# KiCad board main-board.kicad_pcb (continued)
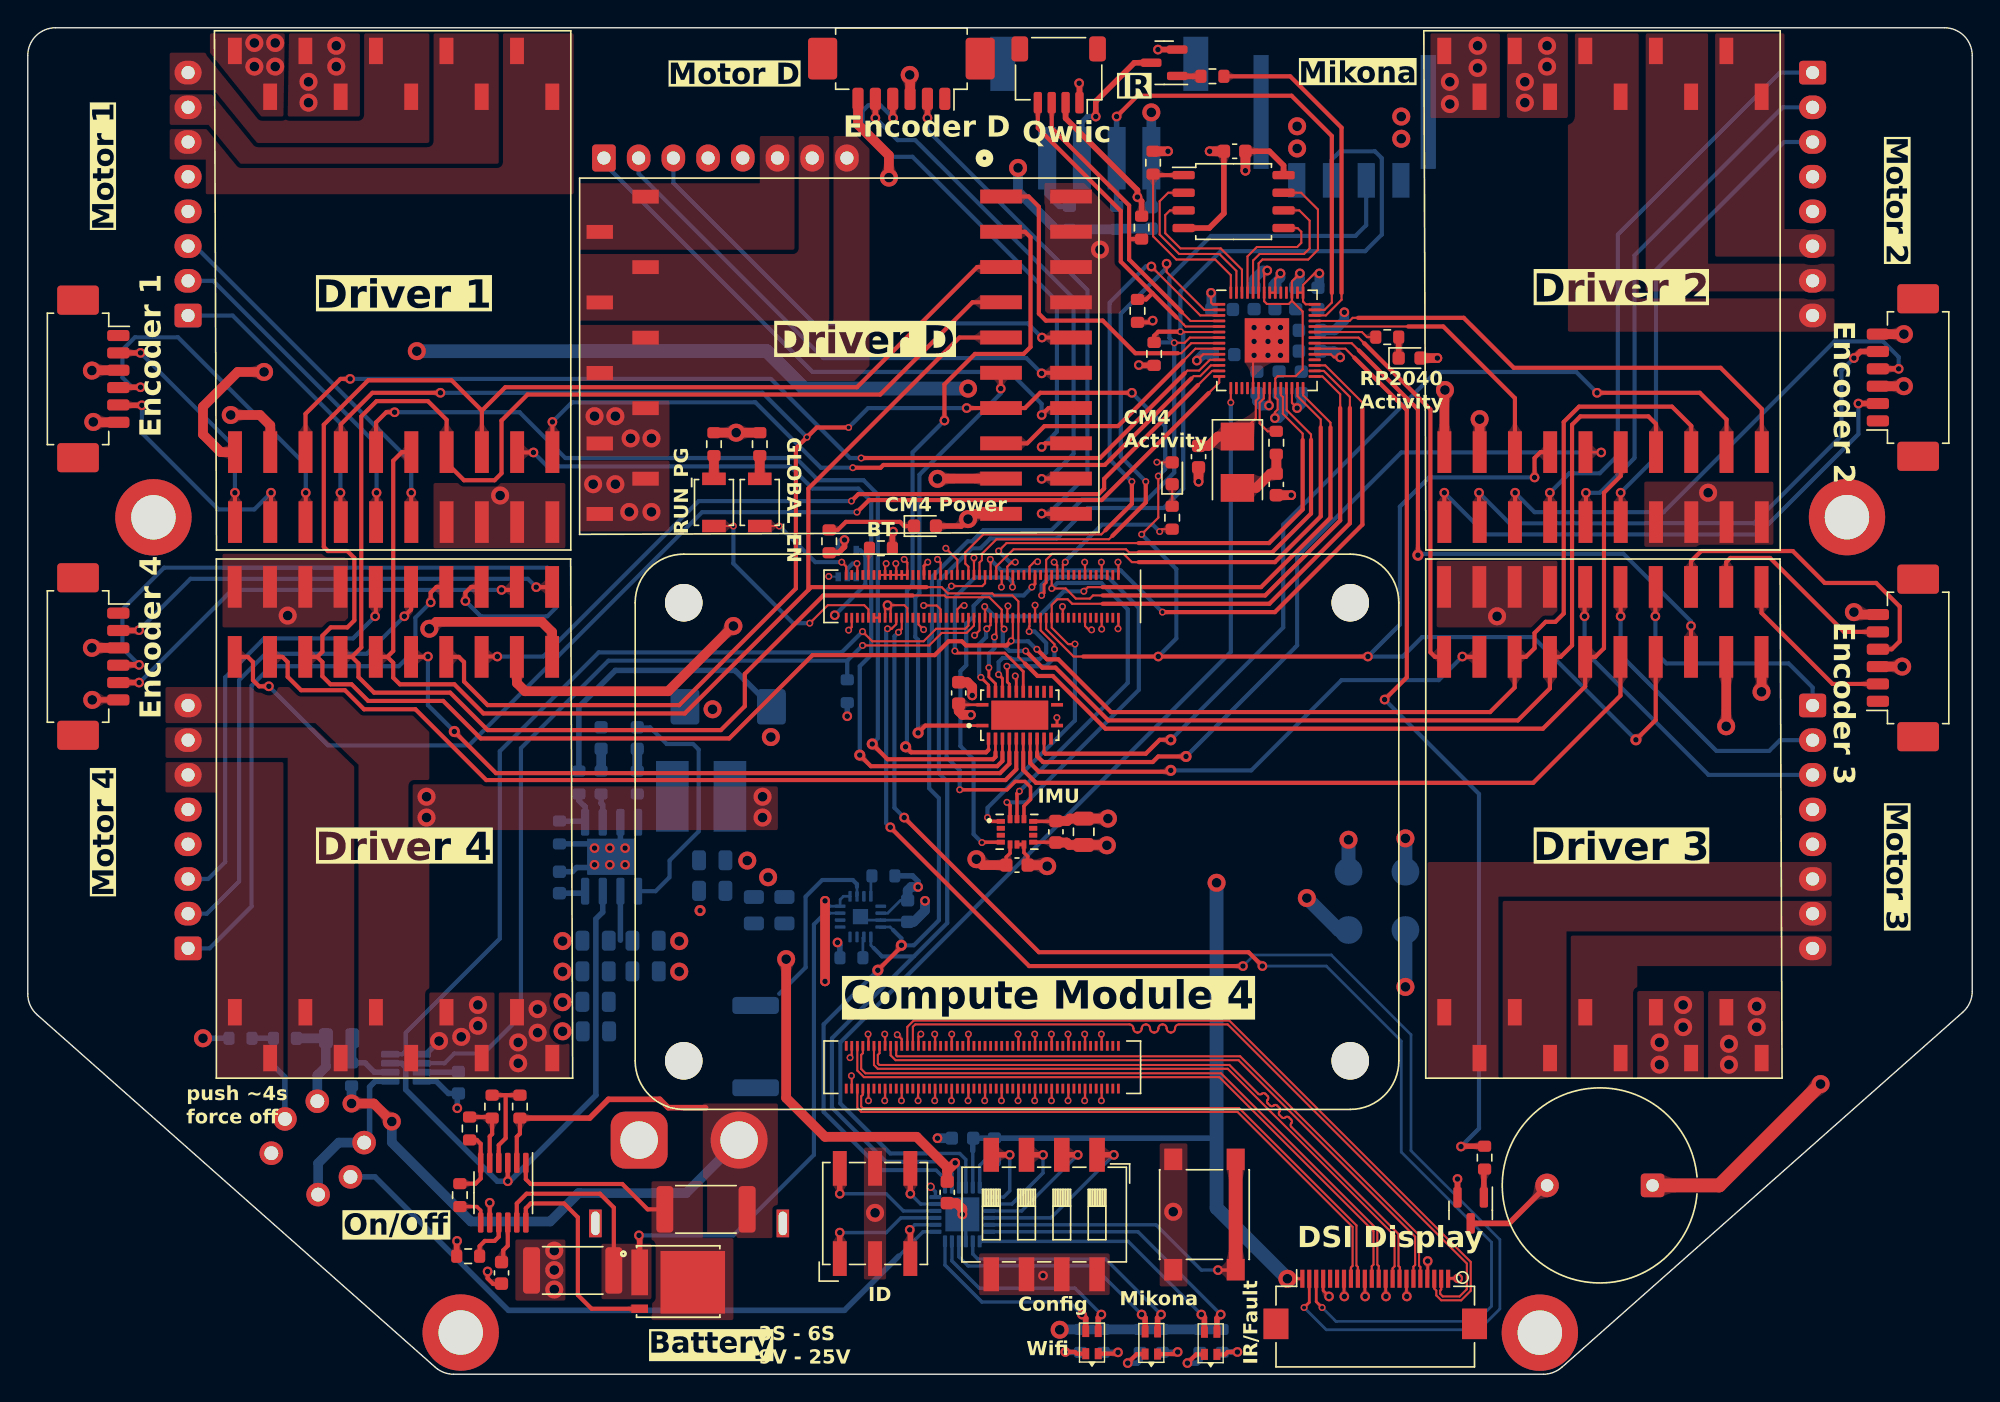
[diagram p0: board, top side]
## Footprints (pads in the part's own frame, mm; a bottom-side part is the same pattern mirrored in y, then rotated) (continued)
SOIC-8-1EP_3.9x4.9mm_P1.27mm_EP2.62x3.51mm
  rrect 1.06x1.41 smd: (-0.655,-0.875) (-0.655,0.875) (0.655,-0.875) (0.655,0.875)
  rrect 1.94x0.6 smd: 1(-2.48,1.905) 2(-2.48,0.635) 3(-2.48,-0.635) 4(-2.48,-1.905) 5(2.48,-1.905) 6(2.48,-0.635) 7(2.48,0.635) 8(2.48,1.905)
  rect 2.62x3.51 smd: 9(0,0)
SOIC-8_5.23x5.23mm_P1.27mm
  rrect 1.6x0.6 smd: 1(-3.6,1.905) 2(-3.6,0.635) 3(-3.6,-0.635) 4(-3.6,-1.905) 5(3.6,-1.905) 6(3.6,-0.635) 7(3.6,0.635) 8(3.6,1.905)
SOT-23
  rrect 1.475x0.6 smd: 1(-0.938,0.95) 2(-0.938,-0.95) 3(0.938,0)
SOT-353_SC-70-5
  rect 0.65x0.4 smd: 1(-0.95,0.65) 2(-0.95,0) 3(-0.95,-0.65) 4(0.95,-0.65) 5(0.95,0.65)
SW_DIP_SPSTx04_Slide_6.7x11.72mm_W8.61mm_P2.54mm_LowProfile
  rect 2.44x1.12 smd: 1(-4.305,3.81) 2(-4.305,1.27) 3(-4.305,-1.27) 4(-4.305,-3.81) 5(4.305,-3.81) 6(4.305,-1.27) 7(4.305,1.27) 8(4.305,3.81)
SW_Push_1P1T_NO_6x6mm_H9.5mm
  rect 1.55x1.3 smd: 1(-3.975,2.25) 1(3.975,2.25) 2(-3.975,-2.25) 2(3.975,-2.25)
SW_SPST_B3U-1000P
  rect 0.9x1.7 smd: 1(-1.7,0) 2(1.7,0)
TestPoint_Pad_D2.0mm
  round 2 smd: 1(0,0)
TRANS_BSC014N04LSIATMA1
  rect 1.2x3.3 smd: 1(-2.775,0.66)
  rect 1.2x0.6 smd: 4(-2.775,-1.96)
  rect 4.65x4.51 smd: 8(1.05,-0.055)
TSOT-23-8
  rrect 1.325x0.5 smd: 1(-1.137,0.975) 2(-1.137,0.325) 3(-1.137,-0.325) 4(-1.137,-0.975) 5(1.137,-0.975) 6(1.137,-0.325) 7(1.137,0.325) 8(1.137,0.975)
VQFN-16-1EP_3x3mm_P0.5mm_EP1.1x1.1mm
  rrect 0.89x0.89 smd: (0,0)
  rrect 0.775x0.25 smd: 1(-1.462,0.75) 2(-1.462,0.25) 3(-1.462,-0.25) 4(-1.462,-0.75) 9(1.462,-0.75) 10(1.462,-0.25) 11(1.462,0.25) 12(1.462,0.75)
  rrect 0.25x0.775 smd: 5(-0.75,-1.462) 6(-0.25,-1.462) 7(0.25,-1.462) 8(0.75,-1.462) 13(0.75,1.462) 14(0.25,1.462) 15(-0.25,1.462) 16(-0.75,1.462)
  rect 1.1x1.1 smd: 17(0,0)
WQFN-24-1EP_4x4mm_P0.5mm_EP2.45x2.45mm
  rrect 0.99x0.99 smd: (-0.61,-0.61) (-0.61,0.61) (0.61,-0.61) (0.61,0.61)
  rrect 0.875x0.3 smd: 1(-1.938,1.25) 2(-1.938,0.75) 3(-1.938,0.25) 4(-1.938,-0.25) 5(-1.938,-0.75) 6(-1.938,-1.25) 13(1.938,-1.25) 14(1.938,-0.75) 15(1.938,-0.25) 16(1.938,0.25) 17(1.938,0.75) 18(1.938,1.25)
  rrect 0.3x0.875 smd: 7(-1.25,-1.938) 8(-0.75,-1.938) 9(-0.25,-1.938) 10(0.25,-1.938) 11(0.75,-1.938) 12(1.25,-1.938) 19(1.25,1.938) 20(0.75,1.938) 21(0.25,1.938) 22(-0.25,1.938) 23(-0.75,1.938) 24(-1.25,1.938)
  rect 2.45x2.45 smd: 25(0,0)

## Nets
+1V1: C501.1 C502.1 C510.1 U501.23 U501.45 U501.50
+1V8: Module201.88 Module201.90
+3.3V: C201.1 C303.1 C503.1 C504.1 C505.1 C506.1 C507.1 C508.1 C509.1 C511.1 C514.1 C515.1 C602.1 C603.1 C604.1 D201.2 D202.2 D501.2 J201.22 J601.2 Module201.78 Module201.84 Module201.86 R305.1 R316.2 R401.1 R504.1 R505.1 R506.1 R507.1 R508.1 TP303.1 U1.1 U2.1 U3.1 U4.1 U5.1 U201.24 U202.5 U302.2 U501.1 U501.10 U501.22 U501.26 U501.33 U501.42 U501.43 U501.44 U501.48 U501.49 U502.23 U503.8 U601.5 U601.8
+5V: BZ501.1 C305.1 C306.1 C307.1 C308.1 C310.1 C401.1 C601.1 J705.6 J706.6 J707.5 J708.5 J711.6 J712.6 J713.5 J714.5 J717.6 J718.5 L301.2 Module201.77 Module201.79 Module201.81 Module201.83 Module201.85 Module201.87 R312.1 R318.2 R601.1 R602.1 TP302.1 U1.3 U2.3 U3.3 U4.3 U5.3 U502.21
+24V: J102.1 R302.1 R315.1 TP301.1 U1.21 U1.22 U2.21 U2.22 U3.21 U3.22 U4.21 U4.22 U5.21 U5.22 U302.12 U302.13
GND: C201.2 C301.2 C302.2 C303.2 C304.2 C305.2 C306.2 C307.2 C308.2 C310.2 C311.2 C312.2 C313.2 C314.2 C315.2 C316.2 C317.2 C318.2 C401.2 C501.2 C502.2 C503.2 C504.2 C505.2 C506.2 C507.2 C508.2 C509.2 C510.2 C511.2 C512.2 C513.2 C514.2 C515.2 C601.2 C602.2 C603.2 C604.2 J101.1 J102.4 J201.1 J201.4 J201.7 J201.10 J201.13 J201.16 J201.19 J601.1 J602.4 J705.3 J706.3 J707.4 J708.4 J711.3 J712.3 J713.4 J714.4 J717.3 J718.4 Module201.1 Module201.2 Module201.7 Module201.8 Module201.13 Module201.14 Module201.22 Module201.23 Module201.32 Module201.33 Module201.42 Module201.43 Module201.52 Module201.53 Module201.59 Module201.60 Module201.65 Module201.66 Module201.71 Module201.74 Module201.98 Module201.107 Module201.108 Module201.113 Module201.114 Module201.119 Module201.120 Module201.125 Module201.126 Module201.131 Module201.132 Module201.137 Module201.138 Module201.144 Module201.150 Module201.155 Module201.156 Module201.161 Module201.162 Module201.167 Module201.168 Module201.173 Module201.174 Module201.179 Module201.180 Module201.185 Module201.186 Module201.191 Module201.192 Module201.197 Module201.198 Q501.2 Q601.2 R201.2 R204.1 R207.1 R308.1 R314.2 R317.2 R402.1 R403.1 R404.1 R405.1 R406.1 R407.1 SW301.1 SW301.2 SW501.C SW502.5 SW502.6 SW502.7 SW502.8 SW503.2 TP304.1 U1.14 U1.16 U1.18 U1.20 U1.23 U1.24 U2.14 U2.16 U2.18 U2.20 U2.23 U2.24 U3.14 U3.16 U3.18 U3.20 U3.23 U3.24 U4.14 U4.16 U4.18 U4.20 U4.23 U4.24 U5.14 U5.16 U5.18 U5.20 U5.23 U5.24 U201.12 U201.19 U202.3 U301.1 U301.4 U302.3 U302.17 U303.8 U304.7 U304.9 U501.19 U501.57 U502.9 U502.18 U502.25 U503.4 U601.6 U601.7 U601.11
+BATT: J101.2 R301.2 R303.1 R304.1 R311.2 U303.2
/CM_MICRO_INT: Module201.47 U501.31
/CM_SPI1_MISO: Module201.26 U501.30 U601.1
/CM_SPI1_MOSI: Module201.27 U501.27 U601.14
/CM_SPI1_SCK: Module201.25 U501.29 U601.13
/CM_UART_RX: Module201.51 U501.2
/CM_UART_TX: Module201.55 U501.3
/Compute Module/CM_SPI0_CE0: Module201.39 U201.18
/Compute Module/CM_SPI0_CE1: Module201.37
/Compute Module/DSI1_C_N: J201.8 Module201.187
/Compute Module/DSI1_C_P: J201.9 Module201.189
/Compute Module/DSI1_D0_N: J201.2 Module201.175
/Compute Module/DSI1_D0_P: J201.3 Module201.177
/Compute Module/DSI1_D1_N: J201.5 Module201.181
/Compute Module/DSI1_D1_P: J201.6 Module201.183
/Compute Module/DSI1_D2_N: J201.11 Module201.193
/Compute Module/DSI1_D2_P: J201.12 Module201.195
/Compute Module/DSI1_D3_N: J201.14 Module201.194
/Compute Module/DSI1_D3_P: J201.15 Module201.196
/Compute Module/GLOBAL_EN: Module201.99 SW201.2
/Compute Module/GPIO2: Module201.58
/Compute Module/GPIO26: Module201.24
/Compute Module/RUN_PG: Module201.92 SW202.2
/Compute Module/SCL0: J201.20 Module201.80
/Compute Module/SDA0: J201.21 Module201.82
/Compute Module/SPI0_MUX_A0: Module201.48 U201.23
/Compute Module/SPI0_MUX_A1: Module201.46 U201.22
/Compute Module/SPI0_MUX_A2: Module201.34 U201.21
/Compute Module/SPI0_MUX_A3: Module201.30 U201.20
/Compute Module/SPI1_CE2: Module201.29
/Compute Module/~{Activity_LED}: Module201.21 R206.2
/Compute Module/~{EXTRST}: Module201.100
/Compute Module/~{PWR_LED}: Module201.95 U202.2
/IMU_INT: Module201.31 U601.4
/IR_ADC: J602.3 R602.2 U501.41
/IR_PWM: R603.1 U501.40
/LED_POWER_LOW: SW301.L1 U502.13
/M1_C_S: U1.5 U501.11
/M1_D_F: U1.19 U501.12
/M2_C_S: U2.5 U501.38
/M2_D_F: U2.19 U501.39
/M3_C_S: U3.5 U501.35
/M3_D_F: U3.19 U501.36
/M4_C_S: U4.5 U501.13
/M4_D_F: U4.19 U501.14
/M_EN: Module201.28 U1.7 U2.7 U3.7 U4.7 U5.7
/M_SPI_MISO: Module201.40 U1.15 U2.15 U3.15 U4.15 U5.15
/M_SPI_MOSI: Module201.44 U1.13 U2.13 U3.13 U4.13 U5.13
/M_SPI_SCK: Module201.38 U1.11 U2.11 U3.11 U4.11 U5.11
/MD_C_S: U5.5 U501.9
/MD_D_F: U5.19 U501.8
/Micro/BUTTON: SW503.1 U502.5
/Micro/BUZZER: R501.1 U501.34
/Micro/DIP_0: SW502.1 U502.4
/Micro/DIP_1: SW502.2 U502.3
/Micro/DIP_2: SW502.3 U502.2
/Micro/DIP_3: SW502.4 U502.1
/Micro/ID_BIT_0: SW501.1 U502.15
/Micro/ID_BIT_1: SW501.2 U502.17
/Micro/ID_BIT_2: SW501.4 U502.14
/Micro/ID_BIT_3: SW501.8 U502.16
/Micro/LED_FAULT: D403.2 U502.6
/Micro/LED_IR: D403.3 U502.7
/Micro/LED_MIKONA_CHARGING: D402.2 U502.8
/Micro/LED_MIKONA_FULL: D402.3 U502.10
/Micro/LED_WIFI_ACTIVITY: D401.2 U502.11
/Micro/LED_WIFI_CONNECTED: D401.3 U502.12
/Micro/QSPI_SCLK: U501.52 U503.6
/Micro/QSPI_SD0: U501.53 U503.5
/Micro/QSPI_SD1: U501.55 U503.2
/Micro/QSPI_SD2: U501.54 U503.3
/Micro/QSPI_SD3: U501.51 U503.7
/Micro/QSPI_SS: R504.2 U501.56 U503.1
/Micro/~{IO_INT}: U501.15 U502.22
/MICRO_I2C0_SCL: J102.2 R508.2 U302.4 U501.7 U502.19
/MICRO_I2C0_SDA: J102.3 R507.2 U302.5 U501.6 U502.20
/MICRO_I2C1_SCL: J601.4 R506.2 U501.5
/MICRO_I2C1_SDA: J601.3 R505.2 U501.4
/Motors/M1_ENC_A: J705.2 U1.2
/Motors/M1_ENC_B: J705.5 U1.4
/Motors/M1_ENC_C: J705.4 U1.6
/Motors/M1_HALL_UX: J707.1 U1.8
/Motors/M1_HALL_V: J707.2 U1.10
/Motors/M1_HALL_WY: J707.3 U1.12
/Motors/M1_U: J707.8 U1.25 U1.26
/Motors/M1_V: J707.7 U1.27 U1.28
/Motors/M1_W: J707.6 U1.29 U1.30
/Motors/M2_ENC_A: J706.2 U2.2
/Motors/M2_ENC_B: J706.5 U2.4
/Motors/M2_ENC_C: J706.4 U2.6
/Motors/M2_HALL_UX: J708.1 U2.8
/Motors/M2_HALL_V: J708.2 U2.10
/Motors/M2_HALL_WY: J708.3 U2.12
/Motors/M2_U: J708.8 U2.25 U2.26
/Motors/M2_V: J708.7 U2.27 U2.28
/Motors/M2_W: J708.6 U2.29 U2.30
/Motors/M3_ENC_A: J711.2 U3.2
/Motors/M3_ENC_B: J711.5 U3.4
/Motors/M3_ENC_C: J711.4 U3.6
/Motors/M3_HALL_UX: J713.1 U3.8
/Motors/M3_HALL_V: J713.2 U3.10
/Motors/M3_HALL_WY: J713.3 U3.12
/Motors/M3_U: J713.8 U3.25 U3.26
/Motors/M3_V: J713.7 U3.27 U3.28
/Motors/M3_W: J713.6 U3.29 U3.30
/Motors/M4_ENC_A: J712.2 U4.2
/Motors/M4_ENC_B: J712.5 U4.4
/Motors/M4_ENC_C: J712.4 U4.6
/Motors/M4_HALL_UX: J714.1 U4.8
/Motors/M4_HALL_V: J714.2 U4.10
/Motors/M4_HALL_WY: J714.3 U4.12
/Motors/M4_U: J714.8 U4.25 U4.26
/Motors/M4_V: J714.7 U4.27 U4.28
/Motors/M4_W: J714.6 U4.29 U4.30
/Motors/MD_ENC_A: J717.2 U5.2
/Motors/MD_ENC_B: J717.5 U5.4
/Motors/MD_ENC_C: J717.4 U5.6
/Motors/MD_HALL_UX: J718.1 U5.8
/Motors/MD_HALL_V: J718.2 U5.10
/Motors/MD_HALL_WY: J718.3 U5.12
/Motors/MD_U: J718.8 U5.25 U5.26
/Motors/MD_V: J718.7 U5.27 U5.28
/Motors/MD_W: J718.6 U5.29 U5.30
/Power/PWR_EN: U301.7 U303.3 U304.3
/Power/SENSE_5v-: C311.1 C312.1 C313.1 C314.1 C315.1 C316.1 R311.1 U302.14 U304.2
/Power/SENSE_24v+: Q301.1 R302.2 U302.11 U303.11
/SWCLK: Module201.41 U501.24
/SWDIO: Module201.45 U501.25
/~{CM_SHUT_DOWN}: Module201.56 U301.8
/~{CM_SPI1_CS_IMU}: Module201.49 U601.12
/~{CM_SPI1_CS_MICRO}: Module201.50 U501.28
/~{M1_SPI_CS_C}: U1.9 U201.3
/~{M1_SPI_CS_D}: U1.17 U201.4
/~{M2_SPI_CS_C}: U2.9 U201.9
/~{M2_SPI_CS_D}: U2.17 U201.10
/~{M3_SPI_CS_C}: U3.9 U201.7
/~{M3_SPI_CS_D}: U3.17 U201.8
/~{M4_SPI_CS_C}: U4.9 U201.5
/~{M4_SPI_CS_D}: U4.17 U201.6
/~{MD_SPI_CS_C}: U5.9 U201.1
/~{MD_SPI_CS_D}: U5.17 U201.2
/~{POWER_OFF}: Module201.54 R316.1 U301.2
Net-(BZ501-+): BZ501.2 Q501.3
Net-(C309-Pad1): C309.1 R310.2
Net-(C318-Pad1): C318.1 R313.2
Net-(C513-Pad1): C513.1 R502.2 Y501.2
Net-(D201-K): D201.1 R205.1
Net-(D202-K): D202.1 R206.1
Net-(D401-K1): D401.1 R403.2
Net-(D401-K2): D401.4 R402.2
Net-(D402-K1): D402.1 R405.2
Net-(D402-K2): D402.4 R404.2
Net-(D403-K1): D403.1 R407.2
Net-(D403-K2): D403.4 R406.2
Net-(D501-K): D501.1 R503.2
Net-(J602-Pin_1): J602.1 R601.2
Net-(J602-Pin_2): J602.2 Q601.3
Net-(Module201A-BT_nDisable): Module201.91 R201.1
Net-(Q501-G): Q501.1 R501.2
Net-(Q601-G): Q601.1 R603.2
Net-(R204-Pad2): R204.2 SW201.1
Net-(R205-Pad2): R205.2 U202.4
Net-(R207-Pad2): R207.2 SW202.1
Net-(R317-Pad1): R317.1 R318.1 SW301.L2
Net-(U301-TMR): C302.1 U301.3
Net-(U301-VIN): C301.1 R303.2 U301.6
Net-(U301-~{PB}): SW301.3 SW301.4 U301.5
Net-(U302-ADDRSEL): R308.2 U302.6
Net-(U302-~{PWRDN}): R305.2 U302.16
Net-(U303-GATE): Q301.4 U303.12
Net-(U303-GNDSW): R309.2 U303.7
Net-(U303-OV): R307.2 R309.1 U303.6
Net-(U303-SENSE): Q301.8 R301.1 U303.1
Net-(U303-STATUS): R315.2 U303.9
Net-(U303-TIMER): C304.1 U303.10
Net-(U303-UVH): R306.2 R307.1 U303.5
Net-(U303-UVL): R304.2 R306.1 U303.4
Net-(U304-BST): C309.2 U304.1
Net-(U304-COMP): R313.1 U304.6
Net-(U304-FB): R312.2 R314.1 U304.5
Net-(U304-SS): C317.1 U304.4
Net-(U304-SW): L301.1 R310.1 U304.8
Net-(U501-GPIO25): R503.1 U501.37
Net-(U501-XIN): C512.1 U501.20 Y501.1
Net-(U501-XOUT): R502.1 U501.21
Net-(U502-~{RESET}): R401.2 U502.24

Pads without a net: H101 1; H102 1; H103 1; H104 1; J102 SH; J201 17 18 MP; J601 MP; J602 MP; J705 1 MP; J706 1 MP; J711 1 MP; J712 1 MP; J717 1 MP; Module201 3 4 5 6 9 10 11 12 15 16 17 18 19 20 35 36 57 61 62 63 64 67 68 69 70 72 73 75 76 89 93 94 96 97 101 102 103 104 105 106 109 110 111 112 115 116 117 118 121 122 123 124 127 128 129 130 133 134 135 136 139 140 141 142 143 145 146 147 148 149 151 152 153 154 157 158 159 160 163 164 165 166 169 170 171 172 176 178 182 184 188 190 199 200; U201 11 13 14 15 16 17 25; U202 1; U302 1 7 8 9 10 15; U501 16 17 18 32 46 47; U601 2 3 9 10

## Via types
v1: diameter 0.7, hole 0.4, Top to Bottom, 156 vias
v2: diameter 0.5, hole 0.3, Top to Bottom, 114 vias
v3: diameter 1.3, hole 0.7, Top to Bottom, 109 vias
v4: diameter 0.8, hole 0.4, Top to Bottom, 13 vias
v5: diameter 0.6, hole 0.4, Top to Bottom, 1 via

## Routing (per net, layer and track width the routed paths; a pad name or vN(x,y) marks a point on that pad's centre or on a via; arc(x,y) is an arc through that point)
+1V1: length 22.5
  Top w0.15: v1(91.62,79.3) 91.04,78.73 U501.45 91.04,77.33 ; v1(89.82,68.88) 89.82,69.3 90.02,69.5 90.02,70.2 89.84,70.38 U501.23 89.84,71.73 90.02,71.9 91.32,71.9 91.82,72.4 91.82,76.56 91.04,77.33 ; 91.04,77.33 90.82,77.1 89.24,77.1 89.04,77.3 U501.50 89.04,79.29 v1(89.27,79.51)
  Bottom w0.7: v1(89.27,79.51) 88.93,79.51 88.32,78.9 C501.1 ; C502.1 90.42,70.38 90.42,69.2 90.09,68.88 v1(89.82,68.88) ; C510.1 91.32,78.6 91.62,78.9 v1(91.62,79.3)
+1V8: length 0.4
  Top w0.15: Module201.90 Module201.88
+3.3V: length 207
  Top w0.15: U501.43 91.84,77.28 92.04,77.08 U501.42 ; U501.43 U501.44 ; U501.43 91.84,78.48 92.67,79.3 v1(93.02,79.3) ; U501.22 89.44,69.84 v1(89.39,69.79) ; D202.2 81.33,65.69 v2(81.32,65.7) ; v1(91.42,69.6) 91.04,69.98 U501.26 ; U501.10 84.65,73.48 v1(84.2,73.02) ; U501.49 U501.48 89.84,78.93 v1(90.22,79.3) ; v1(94.52,73.25) 94.07,73.25 93.84,73.48 U501.33 ; Module201.84 62.14,55.18 v1(61.92,55.4) ; v1(85.22,77.9) 85.22,77.2 85.34,77.08 U501.1 ; Module201.78 63.34,55.19 63.13,55.4 v1(61.92,55.4) ; v1(61.92,55.4) 61.74,55.23 Module201.86
  Top w0.2: v3(90.72,6.88) J201.22 ; U201.24 67.12,48.23
  Top w0.25: U601.5 70.74,37.53 70.47,37.25 C604.1 ; U601.8 74.02,38.33
  Top w0.3: 79.92,75.78 80.89,75.78 v1(81.02,75.9)
  Top w0.4: C514.1 89.42,88.1 90.44,87.08 U503.8 ; R505.1 80.22,84.5 v1(79.92,84.8) 79.92,85.3 74.74,90.48 J601.2 ; R507.1 80.04,72.68 v1(80.02,72.7) ; D201.2 67.22,61.1 v3(67.72,61.6)
  Top w0.7: v3(124.86,49.16) U3.1 ; v1(87.69,86.7) C514.1 ; v1(67.92,47.5) 67.32,47.5 67.04,47.78 C201.1 ; U1.1 13.89,66.43 12.62,67.7 12.62,69.7 15.12,72.2 v3(17.02,72.2) ; v3(28.92,53.7) 29.42,54.2 37.02,54.2 37.76,53.46 U4.1 ; C604.1 68.74,36.68 v3(68.32,37.1) ; v1(82.12,88.1) R504.1 ; v1(101.52,73.2) D501.2 ; U2.1 102.02,70.86 v3(102.07,70.9) ; v3(67.72,61.6) 68.1,61.98 U5.1 ; C602.1 74.82,38.3 74.99,38.13 C603.1 77.69,38.13 v3(77.72,38.1)
  Bottom w0.2: U302.2 61.93,33.22 62.86,34.14 C303.1
  Bottom w0.25: 68.06,16.1 U502.23
  Bottom w0.3: v1(58.12,54.68) 60.32,56.88 60.32,59 59.97,59.35 U202.5
  Bottom w0.4: v1(64.12,35.1) 64.12,35.5 63.72,35.9 R305.1 ; C515.1 85.42,17 ; 68.06,16.1 68.06,16.97 ; R316.2 v1(59.02,47.4) ; R507.1 80.04,72.68 v1(80.02,72.7)
  Bottom w0.7: C506.1 84.63,73.45 v1(84.2,73.02) ; C504.1 85.24,77.88 v1(85.22,77.9) ; v1(94.82,76.5) 94.82,75.9 94.12,75.2 C505.1 ; C507.1 88.52,70.1 88.84,69.79 v1(89.39,69.79) ; 91.72,70.68 91.72,69.9 v1(91.42,69.6) ; C509.1 94.07,73.7 v1(94.52,73.25) ; C303.1 63.37,34.85 63.62,35.1 v1(64.12,35.1) ; C503.1 89.82,78.6 90.22,79 v1(90.22,79.3) ; v1(93.02,79.3) 93.02,78.38
  Bottom w1: v3(28.02,73.7) 53.22,73.7 55.92,71 v3(67.72,71) ; v3(90.72,6.88) 85.62,11.98 v3(85.62,35.4) ; TP303.1 v3(95.12,38.5)
+5V: length 135.4
  Top w0.15: v2(61.82,58.4) 61.74,58.33 Module201.85 ; v2(62.52,58.4) 62.54,58.38 Module201.81 ; Module201.87 Module201.77 63.34,58.48 v2(63.12,58.7)
  Top w0.4: v3(4.64,48.58) J712.6
  Top w0.7: J705.6 4.74,68.58 v3(4.72,68.6) ; v3(65.52,64.5) 65.54,64.52 U5.3 ; v3(14.62,69.1) 16.72,69.1 17.46,68.36 U1.3 ; v3(122.32,46.68) 122.32,46.68 U3.3 ; v3(135.12,74.93) J706.6 ; J717.6 59.79,90.03 62.02,87.8 v3(62.02,86.2) ; v3(50.82,53.9) 46.12,49.2 35.82,49.2 35.22,49.8 U4.3 ; v3(54.62,29.9) 54.62,19.9 57.42,17.1 64.02,17.1 66.22,14.9 66.22,14.66 ; 66.22,14.66 C401.1 ; 66.22,14.66 v1(66.79,15.23) ; v3(131.52,54.9) 131.69,54.73 J711.6 ; v3(104.56,68.8) U2.3
  Top w1: v3(129.12,20.9) 121.82,13.6 BZ501.1
  Bottom w0.25: U502.21 67.06,14.96 v1(66.79,15.23)
  Bottom w0.4: C310.1 50.93,50.7 42.32,50.7 39.69,48.08 R312.1 ; R318.2 v3(12.62,24.2)
  Bottom w0.7: v3(71.32,86.9) 71.32,85.2 74.04,82.48 R601.1 R602.1 ; C601.1 78.47,82.53
  Bottom w1: TP302.1 v3(99.22,38.6)
  vias: v3(28.72,41.6) v3(28.72,40.1) v3(51.82,37) v3(52.92,41.6) v3(52.92,40.1) v3(53.32,35.8) v3(53.52,45.9)
+24V: length 13.5
  Top w0.4: v1(30.92,9.6) 30.89,9.58 R315.1
  Top w0.7: v1(57.42,28.3) v1(57.42,34.1)
  Bottom w0.2: v1(57.42,34.1) 57.81,33.72 U302.12 58.51,34.19 58.74,34.43 59.22,34.43
  Bottom w1: TP301.1 v3(99.22,27.9)
  vias: v3(16.32,95.9) v3(16.32,94.2) v3(17.82,95.9) v3(17.82,94.2) v3(35.32,23.9) v3(35.32,22.4) v3(36.72,26.3) v3(36.72,24.6) v3(37.92,8.9) v3(37.92,7.5) v3(37.92,6.1) v3(40.72,64.12) v3(42.32,64.12) v3(43.32,62.12) v3(44.92,62.12) v3(98.92,90.6) v3(98.92,89) v3(102.42,93.1) v3(102.42,91.5) v3(104.42,95.7) v3(104.42,94.1) v3(122.52,23.8) v3(122.52,22.3) v3(124.52,26.5) v3(124.52,25)
GND: length 158.1
  Top w0.15: Module201.162 66.54,19.73 v2(66.52,19.7) ; v2(77.34,53.68) Module201.8 ; Module201.14 76.14,53.9 76.42,53.62 v2(76.62,53.62) ; v2(70.12,19.7) 70.14,19.73 Module201.144 ; Module201.197 59.34,22.93 v2(59.22,22.8) ; Module201.119 74.94,24.48 v2(74.92,24.5) ; v2(72.73,58.54) 72.5,58.54 72.14,58.18 Module201.33 ; v2(64.52,55.38) 65.46,55.38 65.74,55.1 Module201.66 ; Module201.180 62.94,19.73 v2(62.92,19.7) ; Module201.52 68.54,53.59 v2(68.19,53.23) ; v2(67.74,24.5) Module201.155 ; v2(70.59,55.35) 70.54,55.3 Module201.42 ; Module201.131 72.54,24.48 v2(72.52,24.5) ; Module201.168 65.34,19.73 v2(65.32,19.7) ; v2(72.54,55.4) Module201.32 ; v2(73.72,19.7) 73.74,19.73 Module201.126 ; v2(64.52,53.64) 64.14,54.01 Module201.74 ; Module201.22 74.54,55.28 v2(74.52,55.3) ; Module201.132 72.54,19.73 v2(72.52,19.7) ; U501.19 88.24,73.48 ; v2(78.52,53.7) 78.54,53.73 Module201.2 ; Module201.53 v2(68.14,58.82) ; v2(74.92,19.7) 74.94,19.73 Module201.120 ; v2(66.12,59.5) 66.94,58.68 Module201.59 ; v2(78.52,58.5) 78.54,58.48 Module201.1 ; v2(64.12,19.7) 64.12,20.55 ; v2(76.12,58.5) 76.14,58.48 Module201.13 ; v2(60.52,24.5) 60.54,24.48 Module201.191 ; Module201.167 65.34,24.48 v2(65.32,24.5) ; v2(70.12,56.7) 70.14,56.73 Module201.43 ; Module201.173 64.14,24.33 v2(64.32,24.5) ; v2(76.12,19.7) 76.14,19.73 Module201.114 ; Module201.185 61.74,24.48 v2(61.72,24.5) ; Module201.113 76.14,24.48 v2(76.12,24.5) ; Module201.186 61.74,19.73 v2(61.72,19.7) ; v2(60.55,19.7) 60.55,20.58 ; v2(62.62,24.46) 62.94,24.13 Module201.179 ; v2(77.32,24.5) 77.34,24.48 Module201.107 ; Module201.23 74.14,58.28 v2(73.92,58.5) ; v2(59.32,21.5) 59.34,21.48 Module201.198 ; v2(77.32,58.5) 77.34,58.48 Module201.7 ; v2(77.32,19.7) 77.34,19.73 Module201.108 ; v2(59.12,53.6) 59.34,53.83 Module201.98 ; Module201.60 66.94,55.1 67.22,55.38 v2(67.44,55.38) ; Module201.65 65.74,58.48 v2(65.52,58.7) ; Module201.137 71.34,24.48 v2(71.32,24.5) ; Module201.125 73.74,24.48 v2(73.72,24.5) ; v2(66.54,24.5) Module201.161 ; Module201.156 67.74,19.73 v2(67.72,19.7) ; v2(68.92,19.7) 68.94,19.73 Module201.150 ; Module201.138 71.34,19.73 v2(71.32,19.7)
  Top w0.2: U201.12 74.13,47.29 v2(74.12,47.3) ; v1(97.82,5.6) 97.79,5.63 J201.10 ; J201.19 93.29,6.03 v1(93.72,5.6) ; U201.19 71.19,50.23 v2(71.12,50.3) ; v1(100.82,8.15) 100.82,6.91 ; Module201.71 64.54,58.23 v2(64.82,58.5) ; v1(96.32,5.6) 96.29,5.63 J201.13 ; v1(99.32,5.6) 99.29,5.63 J201.7 ; J201.16 94.79,5.63 v1(94.82,5.6) ; v1(103.02,6.9) 102.32,6.9
  Top w0.25: C604.2 72.02,37.3 71.74,37.58 U601.7 U601.6 ; U601.11 74.02,39.83
  Top w0.3: 34.24,6.5 33.52,6.5 33.12,6.9 v1(33.12,7.4) ; v1(33.27,12.35) U303.8
  Top w0.4: v1(62.32,60.7) 62.27,60.65 R201.2 ; v1(75.72,93) 75.74,92.98 J601.1 ; U503.4 85.09,82.57 86.14,83.63 C514.2 ; v1(81.39,95.43) Q601.2 ; Q501.2 v1(102.97,14.07)
  Top w0.7: C201.2 67.67,49.85 68.02,49.5 v1(68.02,48.9) ; v3(4.62,72.3) 4.64,72.33 J705.3 ; v3(63.52,93.6) 63.54,93.58 J717.3 ; v3(73.42,36.6) 73.34,36.68 C604.2 ; v3(135.12,71.18) J706.3 ; v1(90.99,63.33) C513.2 ; v3(134.99,50.98) 133.34,50.98 ; v3(4.62,52.33) J712.3 ; C512.2 v1(84.32,64.3) ; v1(67.31,11.51) 67.31,11.91 66.89,12.33 C401.2 ; R204.1 v3(51.02,67.83) R207.1 ; C602.2 74.87,39.85 75.04,40.03 C603.2 v3(77.79,40.03) ; C514.2 v1(85.12,88.1)
  Bottom w0.15: U202.3 57.71,57.45 v2(57.69,57.47)
  Bottom w0.2: 63.24,32.72 U302.3 60.22,32.72
  Bottom w0.25: v5(65.02,13.5) 65.37,13.15 U502.18 ; U502.9 67.56,10.46
  Bottom w0.4: v1(30.93,19.16) 30.93,20.14 ; v3(29.62,24) 28.67,23.05 ; R308.1 58.49,30.93 v1(58.32,31.1) ; U304.7 42.68,37.94 ; U301.4 29.42,21.1 30.29,20.23 C302.2 ; 40.52,36.5 39.52,36.5 39.22,36.2 C317.2 ; R314.2 40.62,38.2
  Bottom w0.7: C601.2 J602.4 v3(80.92,90.9) ; R317.2 C301.2 21.47,22.15 20.85,21.54 SW301.1 ; v3(74.32,3.2) 74.34,3.23 R402.1 ; v1(65.52,17) C515.2 ; v1(64.62,34.1) 64.62,33.4 63.81,32.59 C303.2 ; 75.94,3.23 R407.1
  Bottom w1: TP304.1 94.42,32 v3(92.12,34.3)
  vias: v1(40.82,37.9) v1(40.82,36.7) v1(41.92,37.9) v1(41.92,36.7) v1(43.02,37.9) v1(43.02,36.7) v1(73.12,7.1) v1(88.32,75.4) v1(88.32,74.4) v1(88.32,73.4) v1(89.32,75.4) v1(89.32,74.4) v1(89.32,73.4) v1(90.22,75.4) v1(90.22,74.4) v1(90.22,73.4) v3(18.72,54.65) v3(20.22,93.1) v3(20.22,91.6) v3(22.22,95.7) v3(22.22,94.2) v3(31.22,24.3) v3(32.42,26.6) v3(32.42,25.1) v3(34.02,63.3) v3(38.52,31.2) v3(38.52,29) v3(38.52,26.8) v3(38.52,24.7) v3(40.82,69.02) v3(42.32,69.02) v3(43.42,67.42) v3(44.92,67.42) v3(46.92,31.2) v3(46.92,29) v3(49.32,47.9) v3(61.02,11.63) v3(77.22,81.02) v3(82.49,11.7) v3(91.42,89.9) v3(91.42,88.3) v3(105.82,54.6) v3(107.82,93.1) v3(107.82,91.6) v3(109.42,95.7) v3(109.42,94.2) v3(117.52,23.9) v3(117.52,22.3) v3(119.22,26.6) v3(119.22,25) v3(121.02,63.5) v4(48.42,33.4)
+BATT: length 53.5
  Top w0.3: R304.1 35.44,17.33 35.22,17.1 U303.2
  Top w0.4: R304.1 40.47,18.45 41.82,19.8 45.52,19.8 46.12,19.2 48.82,19.2
  Top w0.7: v3(23.32,19.5) 24.92,19.5 v3(26.22,18.2)
  Bottom w0.7: J101.2 47.42,13.05 39.67,13.05 37.62,11 31.92,11 26.22,16.7 v3(26.22,18.2) ; v3(23.32,19.5) R303.1
/CM_MICRO_INT: length 45.5
  Top w0.15: v2(69.32,58.7) 69.34,58.68 Module201.47 ; 96.12,69.6 96.12,70 93.44,72.68 U501.31
  Top w0.3: 96.12,69.6 96.12,61.2 89.82,54.9 v2(81.72,54.9)
  Bottom w0.3: v2(81.72,54.9) 78.72,57.9 70.12,57.9 v2(69.32,58.7)
/CM_SPI1_MISO: length 56.6
  Top w0.15: v2(75.42,52.6) 74.92,52.6 73.74,53.78 Module201.26 73.74,55.43 74.14,55.83 74.89,55.83 75.22,55.5 77.42,55.5 ; 95.22,69.6 95.22,70.4 93.34,72.28 U501.30
  Top w0.25: v2(69.12,40.1) 69.39,39.83 U601.1
  Top w0.3: 77.42,55.5 89.42,55.5 95.22,61.3 95.22,69.6
  Bottom w0.3: v2(69.12,40.1) 69.12,40.8 75.42,47.1 v2(75.42,52.6)
/CM_SPI1_MOSI: length 63.2
  Top w0.15: 80.02,58.5 79.52,58.5 78.92,59.1 73.78,59.1 73.34,58.67 Module201.27 ; U501.27 91.44,70.46 93.12,68.79 93.12,68.2
  Top w0.2: Module201.27 73.34,57.03 73.19,56.88 73.19,56.28 v2(73.02,56.1)
  Top w0.25: U601.14 70.74,40.98 v2(70.52,41.2)
  Top w0.3: 80.02,58.5 89.82,58.5 93.12,61.8 93.12,68.2
  Bottom w0.3: v2(70.52,41.2) 71.92,41.2 80.02,49.3 80.02,55.2 77.77,57.46 73.62,57.46 73.02,56.85 v2(73.02,56.1)
/CM_SPI1_SCK: length 60.7
  Top w0.15: 77.42,56.1 76.72,56.1 76.49,55.88 75.48,55.88 74.75,56.6 v2(73.74,56.6) Module201.25 ; U501.29 93.24,71.88 94.52,70.6 94.52,69.6
  Top w0.25: U601.13 71.24,41.83 v2(71.42,42)
  Top w0.3: 77.42,56.1 89.12,56.1 94.52,61.5 94.52,69.6
  Bottom w0.3: v2(71.42,42) 79.22,49.8 79.22,55.1 77.32,57 74.14,57 v2(73.74,56.6)
/CM_UART_RX: length 39.8
  Top w0.15: 78.12,60.4 77.87,60.15 69.77,60.15 68.72,59.1 68.72,58.65 68.54,58.47 Module201.51 ; v1(82.02,80) 82.02,79.4 84.74,76.68 U501.2
  Top w0.3: 78.12,60.4 80.52,62.8 v2(80.52,64.3)
  Bottom w0.3: v1(82.02,80) 82.02,79.7 78.72,76.4 78.72,66.1 v2(80.52,64.3)
/CM_UART_TX: length 40.8
  Top w0.15: v1(80.92,79.8) 84.44,76.28 U501.3 ; Module201.55 67.74,58.18 67.52,58.4 67.52,59.2 68.82,60.5 77.32,60.5 77.62,60.8
  Top w0.3: 77.62,60.8 79.52,62.7 v2(79.52,64.3)
  Bottom w0.3: v2(79.52,64.3) 77.92,65.9 77.92,77.2 80.52,79.8 v1(80.92,79.8)
/Compute Module/CM_SPI0_CE0: length 17
  Top w0.15: v2(70.92,56.7) 70.94,56.73 Module201.39
  Top w0.2: U201.18 71.69,50.63 70.37,51.95 66.92,51.95 v2(66.77,52.1)
  Bottom w0.3: v2(70.92,56.7) 70.92,57.05 70.57,57.4 68.22,57.4 66.77,55.95 v2(66.77,52.1)
/Compute Module/DSI1_C_N: length 48.4
  Top w0.15: Module201.187 61.34,23.13 61.22,23.01 61.22,22.39 61.33,22.28 86.54,22.28 88.62,20.2 arc(88.75,20.15) 88.87,20.2 arc(89,20.26) 89.13,20.2 89.3,20.04 arc(89.35,19.91) 89.3,19.78 arc(89.25,19.65) 89.3,19.52 89.47,19.35 arc(89.59,19.3) 89.72,19.35 arc(89.85,19.41) 89.98,19.35 90.15,19.19 arc(90.2,19.06) 90.15,18.93 arc(90.09,18.8) 90.15,18.67 90.31,18.51 arc(90.44,18.45) 90.57,18.51 arc(90.7,18.56) 90.83,18.51 91,18.34 arc(91.05,18.21) 91,18.08 arc(90.94,17.95) 91,17.82 98.72,10.1 98.72,7.8 98.82,7.7 98.82,6.9
/Compute Module/DSI1_C_P: length 47.1
  Top w0.15: Module201.189 60.94,22.28 61.22,22 86.42,22 98.44,9.98 98.44,7.77 98.29,7.63 J201.9
/Compute Module/DSI1_D0_N: length 55.7
  Top w0.15: Module201.175 63.74,25.03 63.92,25.2 79.33,25.2 arc(79.54,25.12) 79.63,24.91 arc(79.71,24.7) 79.92,24.62 79.93,24.62 arc(80.14,24.7) 80.23,24.91 arc(80.31,25.12) 80.52,25.2 80.53,25.2 arc(80.74,25.12) 80.83,24.91 arc(80.91,24.7) 81.12,24.62 81.13,24.62 arc(81.34,24.7) 81.43,24.91 arc(81.51,25.12) 81.72,25.2 81.73,25.2 arc(81.94,25.12) 82.03,24.91 arc(82.11,24.7) 82.32,24.62 82.33,24.62 arc(82.54,24.7) 82.63,24.91 arc(82.71,25.12) 82.92,25.2 86.42,25.2 103.64,7.98 103.64,6.13 103.12,5.6 101.91,5.6 101.72,5.8 101.72,6.03 101.79,6.1 J201.2
/Compute Module/DSI1_D0_P: length 55.6
  Top w0.15: J201.3 101.29,6.17 101.44,6.02 101.44,5.68 101.8,5.33 103.23,5.33 103.92,6.01 103.92,8.09 86.53,25.48 63.8,25.48 63.34,25.02 Module201.177
/Compute Module/DSI1_D1_N: length 46.9
  Top w0.15: J201.5 100.29,7.73 100.2,7.82 100.2,10.02 87.32,22.9 62.61,22.9 62.54,22.97 Module201.181
/Compute Module/DSI1_D1_P: length 46.9
  Top w0.15: Module201.183 62.14,22.98 62.49,22.63 87.2,22.63 99.92,9.91 99.92,7.87 99.79,7.75 J201.6
/Compute Module/DSI1_D2_N: length 47.3
  Top w0.15: Module201.193 60.14,23.13 60.02,23.01 60.02,21.99 60.33,21.68 85.93,21.68 97.2,10.42 97.2,7.89 97.29,7.79 J201.11
/Compute Module/DSI1_D2_P: length 47.2
  Top w0.15: Module201.195 59.74,21.88 60.22,21.4 85.82,21.4 96.92,10.3 96.92,7.9 96.79,7.78 J201.12
/Compute Module/DSI1_D3_N: length 44.4
  Top w0.15: Module201.194 60.14,20.15 60.02,20.02 60.02,19.29 60.14,19.18 87.24,19.18 95.69,10.72 95.69,7.83 95.79,7.73 J201.14
/Compute Module/DSI1_D3_P: length 44.4
  Top w0.15: J201.15 95.29,7.68 95.42,7.8 95.42,10.61 87.12,18.9 60.02,18.9 59.74,19.18 Module201.196
/Compute Module/GLOBAL_EN: length 8
  Top w0.15: v2(58.62,58.5) 58.94,58.18 Module201.99 ; v2(54.12,61.1) SW201.2
  Bottom w0.3: v2(58.62,58.5) 56.72,58.5 v2(54.12,61.1)
/Compute Module/RUN_PG: length 16.9
  Top w0.15: v2(56.32,54.1) 57.62,55.4 60.24,55.4 60.54,55.1 Module201.92 ; v2(50.82,61.1) SW202.2
  Bottom w0.3: v2(56.32,54.1) 55.12,54.1 50.82,58.4 v2(50.82,61.1)
/Compute Module/SCL0: length 94.5
  Top w0.15: v2(62.71,53.45) 62.94,53.69 Module201.80
  Top w0.2: v2(93.22,4.8) 92.79,5.23 J201.20
  Top w0.3: v1(88.92,29.4) 87.92,30.4 72.82,30.4 v1(63.12,40.1)
  Bottom w0.2: v1(88.92,29.4) 93.52,29.4 98.92,24 98.92,16 105.42,9.5 105.42,4.9 104.32,3.8 94.22,3.8 v2(93.22,4.8)
  Bottom w0.3: v2(62.71,53.45) 62.42,53.16 62.42,40.8 v1(63.12,40.1)
/Compute Module/SDA0: length 100.1
  Top w0.15: Module201.82 62.54,54.03 62.22,53.7 v2(61.92,53.7)
  Top w0.2: v2(91.92,4.8) 92.29,5.18 J201.21
  Top w0.3: v1(62.12,39.4) 72.12,29.4 v1(87.52,29.4)
  Bottom w0.2: v2(91.92,4.8) 93.52,3.2 104.52,3.2 106.02,4.7 106.02,9.7 99.62,16.1 99.62,24.47 93.88,30.2 88.32,30.2 v1(87.52,29.4)
  Bottom w0.3: v2(61.92,53.7) 61.82,53.6 61.82,39.7 v1(62.12,39.4)
/Compute Module/SPI0_MUX_A0: length 6
  Top w0.15: v2(69.07,53.7) 69.34,53.97 Module201.48
  Top w0.2: U201.23 69.19,49.65 v2(68.64,50.2)
  Bottom w0.3: v2(69.07,53.7) 69.02,53.65 69.02,53.1 68.52,52.6 68.52,50.33 v2(68.64,50.2)
/Compute Module/SPI0_MUX_A1: length 5.7
  Top w0.15: v2(69.62,53.1) 69.74,53.23 Module201.46
  Top w0.2: v2(69.22,50.9) 69.22,50.23 69.69,49.75 U201.22
  Bottom w0.3: v2(69.22,50.9) 69.22,51.9 69.62,52.3 v2(69.62,53.1)
/Compute Module/SPI0_MUX_A2: length 9.3
  Top w0.15: Module201.34 72.14,53.9 72.12,53.87 v2(72.12,53.5)
  Top w0.2: U201.21 70.19,50.13 v2(69.92,50.4)
  Bottom w0.3: v2(72.12,53.5) 72.52,53.5 73.34,52.68 73.34,51.99 72.86,51.5 70.87,51.5 70.77,51.6 70.22,51.6 69.92,51.3 v2(69.92,50.4)
